# Altium PCB master.PcbDoc (part 4 of 10)
Units mm, origin at the board's own origin, x right, y up, seen from the top; angles counter-clockwise.
Board outline 160 x 120 mm, 6 copper layers (Top Signal, Top GND, Inner PWR, Inner Signal, Bottom GND, Bottom Signal), stack 1.601 mm thick; 526 components, 435 nets, 2167 pads, 1617 vias.
Unrouted connection lines stored in the file: 3.
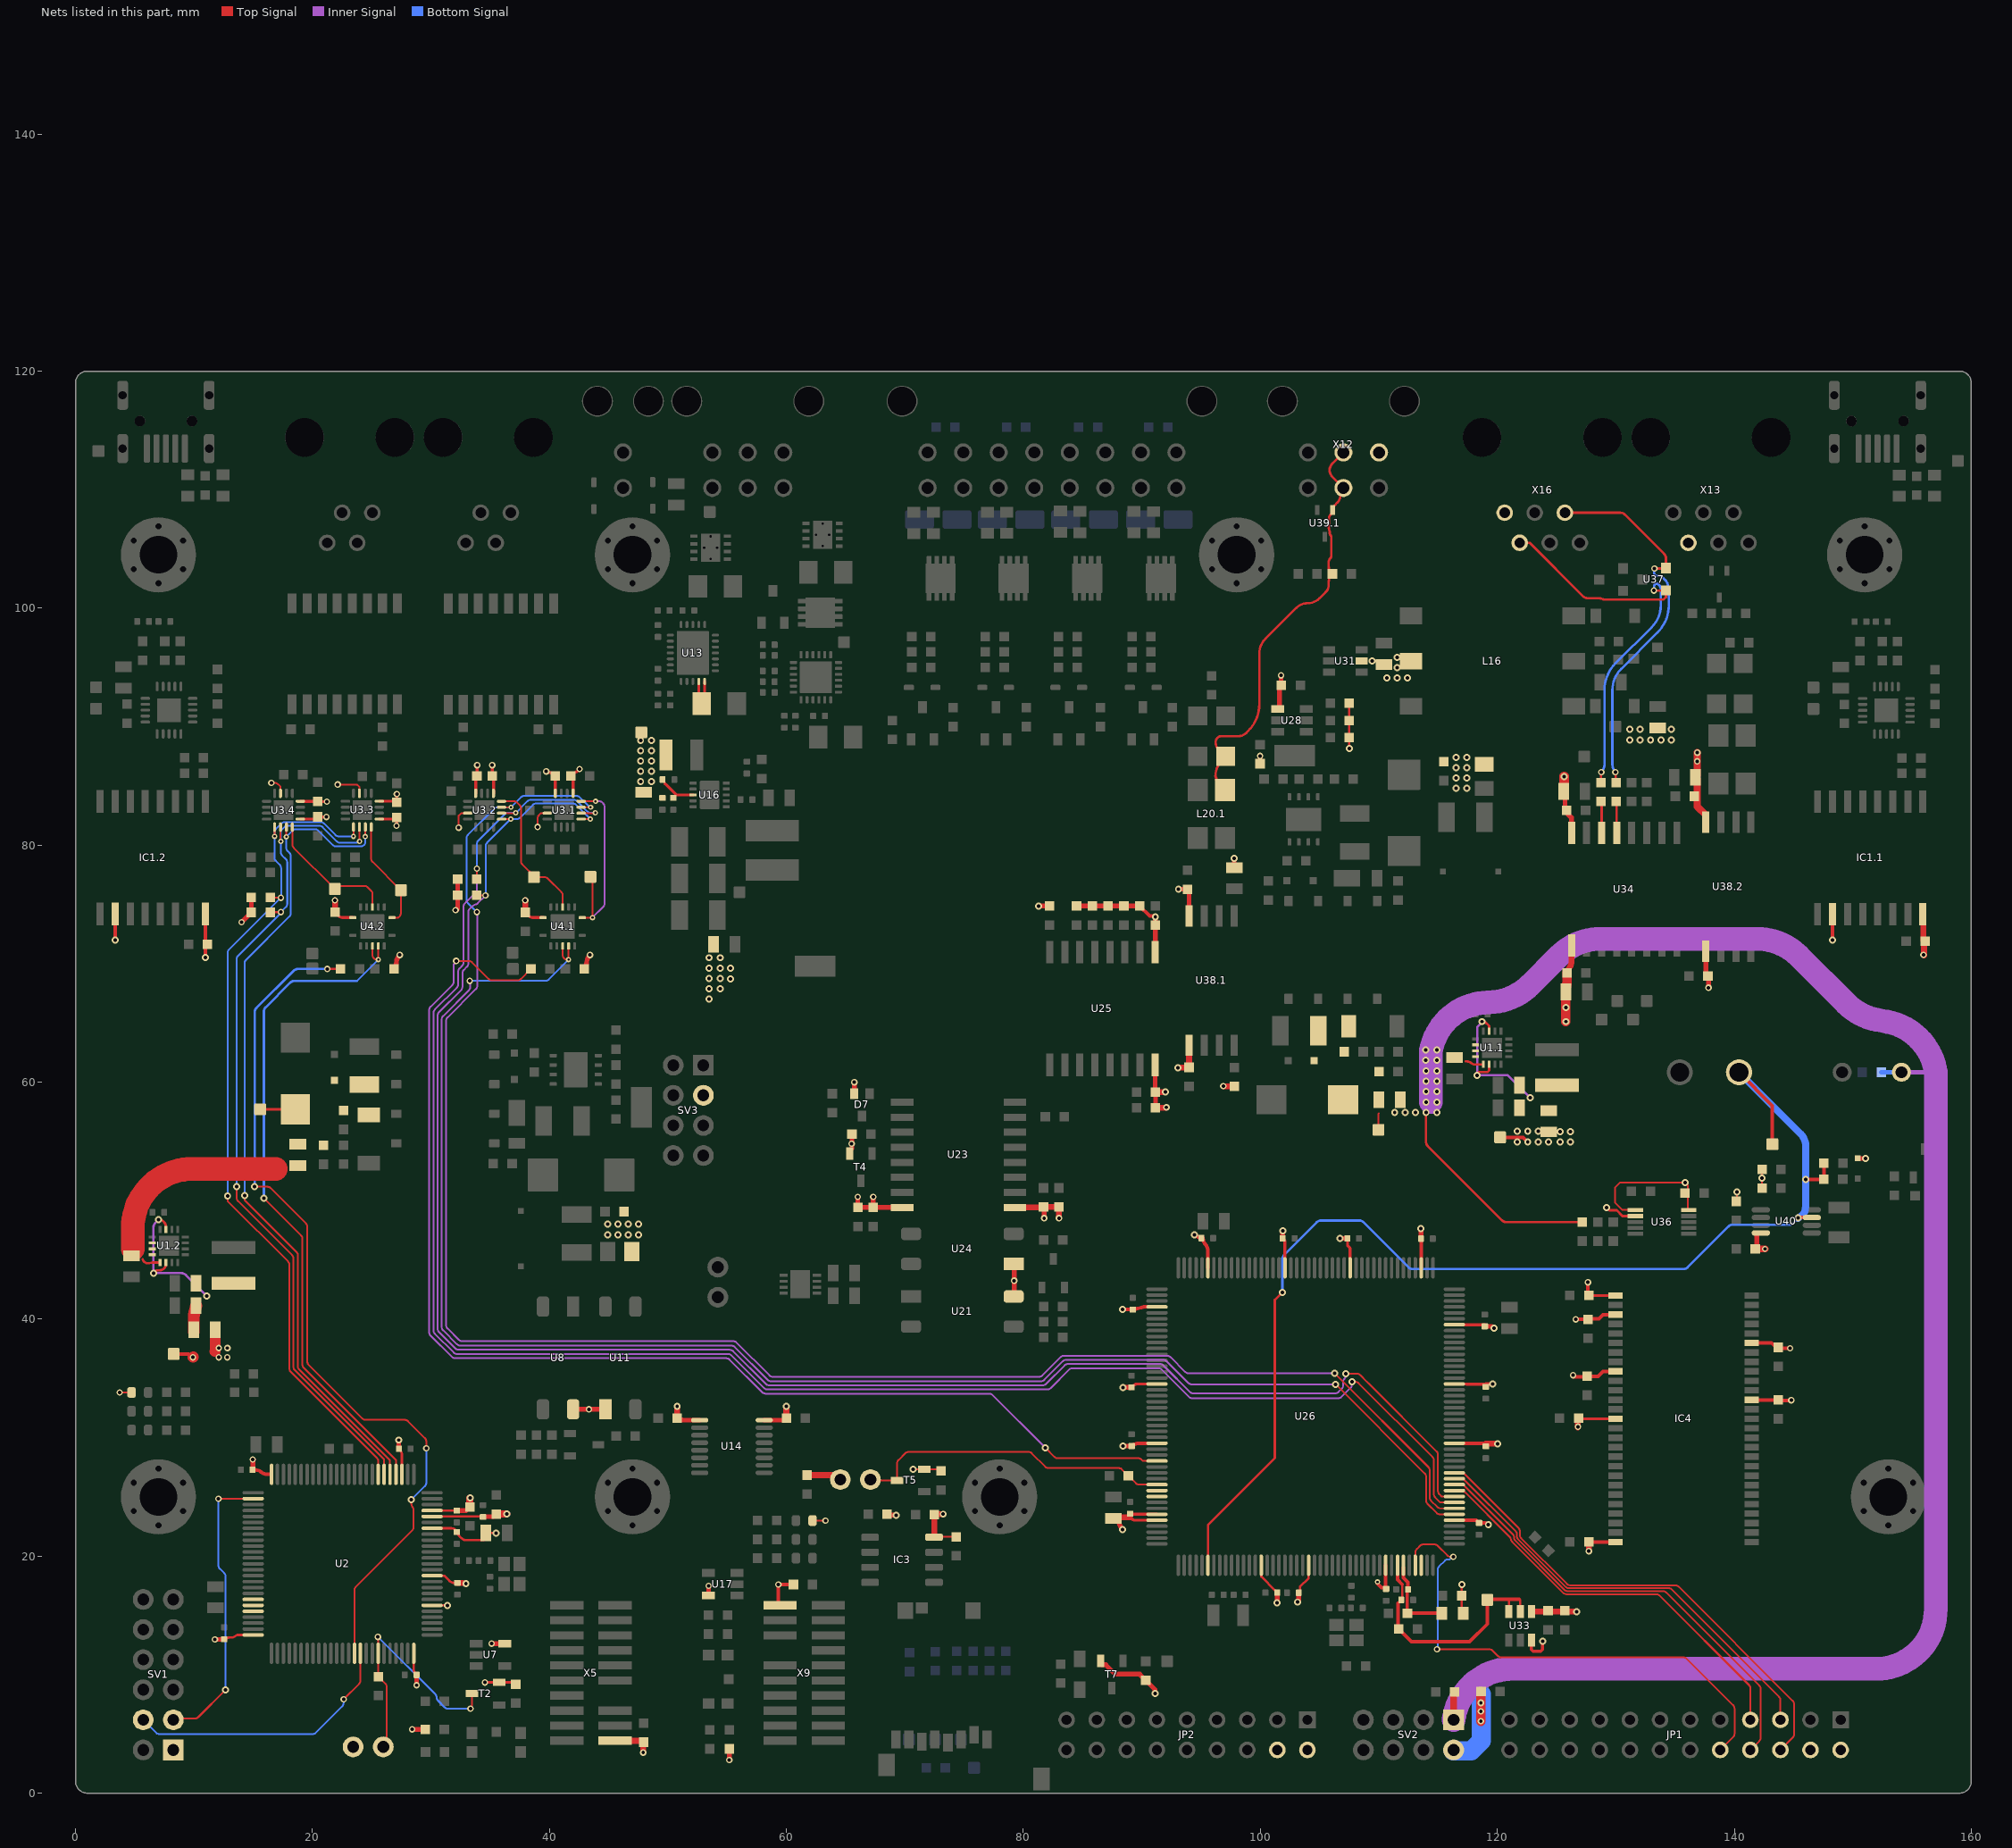
[diagram p8: the nets of this part, all layers, seen from the top]

## Via types
v1: diameter 0.6, hole 0.3, Top Signal to Bottom Signal, 1012 vias
v2: diameter 0.55, hole 0.3, Top Signal to Bottom Signal, 235 vias
v3: diameter 0.45, hole 0.2, Top Signal to Bottom Signal, 178 vias
v4: diameter 0.55, hole 0.3, Top Signal to Bottom Signal, tented both sides, 112 vias
v5: diameter 0.5, hole 0.2, Top Signal to Bottom Signal, 50 vias
v6: diameter 0.45, hole 0.2, Top Signal to Bottom Signal, tented top, 15 vias
v7: diameter 0.5, hole 0.3, Top Signal to Bottom Signal, tented both sides, 12 vias
v8: diameter 0.6, hole 0.3, Top Signal to Bottom Signal, tented both sides, 2 vias
v9: diameter 0.5, hole 0.3, Top Signal to Bottom Signal, 1 vias

## Nets (pads, with @x,y where several pads share a name; then routed paths per layer and width w, separated by ;. In a path a pad name is that pad's centre, name@x,y a point inside that pad or via, vN(x,y) a via of type N, cw(c..) or ccw(c..) an arc to the next point about the centre after c; other vN are vias at no path point) (continued)
+3.3V_0: +3V3.1@120.231,55.347 C12.1.1 C20.1.2 C20.2.2 C23.1.2 C28.1.2 C28.2.2 C70.2 C71.1 C73.1 C78.2 C80.1 C83.1 C85.1 C87.1 C88.1 C89.1 C90.1 C91.1 C92.1.2 C92.2.2 C97.1 C105.1 C108.1 C109.1 C116.1 C123.1 C127.1 C130.1 C134.2 C135.1 C136.1 C137.1 C138.1 C142.1 C143.1 C145.1 C146.1 C148.1 C149.1 C150.1 C151.1 C152.1 C161.1.2 C161.2.2 C164.1 C166.1 C167.1 D19.1 IC1.1.10 IC1.1.16 IC3.8 IC4.1 IC4.3 IC4.9 IC4.14 IC4.27 IC4.43 IC4.49 JP1.2 JP1.4 JP2.2 JP2.4 L17.1 LED6.2 R13.1.2 R14.1.2 R23.1.2 R58.2 R74.2 R78.2 R80.2 R100.2 R116.1 R126.2 R127.2 R128.2 SV2.2 T5.2 T7.2 U3.1.5 U3.1.8 U3.1.11 U3.2.5 U3.2.8 U3.2.11 U4.1.14 U14.16 U17.5 U21.4 U23.1 U24.1 U25.16 U26.15 U26.23 U26.36 U26.49 U26.62 U26.72 U26.82 U26.91 U26.103 U26.114 U26.127 U26.136 U26.149 U26.159 U26.171 U26.172 U33.3 U33.4 U34.1 U36.2 U38.1.1 U38.2.1 U40.8 X9.1 X10.1 | length 189.5
  Top Signal w0.15: R126.2@140.179,49.942 140.21,49.972 v8(140.21,50.725) ; C164.1@141.762,45.93 C164.1@141.873,46.041 ; U40.8@141.896,47.135 142.034,47.274 U40.8@142.24,47.274 ; R127.2@142.343,51.067 142.346,51.07 R128.2@142.346,52.648
  Top Signal w0.152: v2(32.345,81.475) 32.345,82.488 32.557,82.7 U3.2.11@33.1,82.7 ; v2(39,81.541) 39,82.268 cw(c39.38,82.268) 39.078,82.498 39.093,82.518 39.275,82.7 U3.1.11@39.818,82.7 ; LED6.2@62.25,23.004 v4(63.294,23.004) ; v1(70.691,27.34) 71.559,27.34 71.603,27.384 T5.2@71.647,27.34 72.887,27.34 R78.2@73.037,27.19 ; IC3.8@72.455,21.599 72.485,21.629 72.492,21.636 R80.2@74.331,21.636
  Top Signal w0.2: U26.15@100.072,19.234 100.092,19.215 100.092,18.275 101.267,17.099 101.275,17.099 101.425,16.949 C105.1@101.425,16.924 C105.1@101.422,16.921 ; C109.1@103.333,16.835 103.333,17.409 104.072,18.148 U26.23@104.072,19.234 ; C127.1@113.554,46.796 C127.1@113.572,46.778 ; v1@116.992,17.628 116.98,17.615 C130.1@116.98,16.662 116.98,15.1 L17.1@117.018,15.062 ; v1(129.216,49.407) 129.438,49.185 130.071,49.185 130.555,48.702 U36.2@131.647,48.702
  Top Signal w0.24: C23.1.2@37.955,74.325 38.22,74.06 ccw(c38.643,74.485) 38.643,73.885 U4.1.14@39.465,73.885
  Top Signal w0.25: U3.2.8@33.775,84.375 33.775,85.828 C28.2.2@33.782,85.85 ; C28.2.2@33.875,85.85 33.876,85.852 ccw(c33.275,86.025) 33.9,86.027 v2(33.9,86.752) ; C20.2.2@35.082,85.85 35.275,85.657 U3.2.5@35.275,84.375 ; C20.2.2@35.163,85.85 v2(35.163,86.752) ; v2(39.725,86.22) 39.912,86.158 ccw(c40.111,86.75) 39.968,86.142 40.109,86.109 cw(c39.966,85.5) 40.409,85.941 C28.1.2@40.5,85.85 40.493,85.828 U3.1.8@40.493,84.375 ; U3.1.5@41.993,84.375 41.993,85.657 C20.1.2@41.8,85.85 41.898,85.948 cw(c42.341,85.507) 42.028,86.048 42.294,86.202 ccw(c41.982,86.743) 42.424,86.302 v2(42.543,86.42) ; 88.789,23.329 88.994,23.534 U26.171@91.273,23.534 ; C88.1@88.885,34.239 89.005,34.119 89.236,34.35 cw(c89.679,33.909) 89.679,34.534 U26.149@91.273,34.534 ; 88.99,23.28 89.054,23.216 ccw(c89.495,23.659) 89.495,23.034 U26.172@91.273,23.034 ; C108.1@101.887,46.817 102.072,46.632 U26.114@102.072,44.334 ; C116.1@107.225,46.739 107.362,46.602 107.362,46.202 107.573,45.992 U26.103@107.573,44.334 ; U26.72@116.372,34.534 117.374,34.534 117.387,34.521 C138.1@119.024,34.521 ; U26.82@116.372,39.534 C136.1@118.941,39.534 ; U33.3@122.879,12.932 122.879,12.132 123.025,11.985 123.66,11.985 123.806,12.132 123.806,12.799 v1(123.82,12.813) v1@123.834,12.827 ; C143.1@126.788,31.596 126.796,31.596 IC4.14@129.966,31.596 ; C150.1@127.645,41.996 IC4.1@129.966,41.996
  Top Signal w0.3: C70.2@59.977,31.623 C70.2@60,31.646 ; v1(88.375,40.839) 89.372,40.839 ccw(c89.372,41.589) 89.618,40.881 89.936,40.991 cw(c90.185,40.284) 90.186,41.034 U26.136@91.273,41.034 ; C89.1@89.138,29.291 ccw(c88.734,29.923) 89.181,29.32 89.27,29.386 cw(c89.716,28.784) 89.716,29.534 U26.159@91.273,29.534 ; v1(94.422,47.124) 94.745,46.935 ccw(c95.125,47.581) C97.1@95.012,46.84 ; C97.1@95.165,46.865 95.165,46.813 ccw(c95.915,46.813) 95.354,46.315 95.383,46.282 cw(c94.822,45.783) 95.572,45.783 U26.127@95.572,44.334 ; v3(109.889,17.825) 109.889,17.67 110.211,17.348 110.499,17.348 C123.1@110.572,17.275 ; C123.1@110.572,17.221 C123.1@110.572,17.275 ; U26.36@110.572,19.234 C123.1@110.572,17.275 ; C123.1@110.612,17.236 C123.1@110.572,17.275 ; U26.91@113.572,44.334 C127.1@113.572,46.778 ; U26.49@116.372,23.034 118.225,23.034 C135.1@118.452,22.807 119.019,22.807 119.167,22.658 v1(119.248,22.658) ; U26.62@116.372,29.534 v1@120.017,29.534 ; C138.1@119.024,34.521 119.604,34.521 v1(119.608,34.524) ; +3V3.1@120.231,55.347 122.154,55.347 122.307,55.193 ; v4(126.386,35.268) 126.386,35.186 126.437,35.135 C151.1@127.481,35.135 ; v4(126.617,39.984) 127.585,39.984 C152.1@127.66,39.909 ; C143.1@126.78,31.644 C143.1@126.796,31.628 ; v4@126.796,30.861 126.812,30.877 v4(126.812,30.925) ; C151.1@127.445,35.099 C151.1@127.481,35.135 ; C151.1@127.575,35.163 127.548,35.135 C151.1@127.481,35.135 ; C149.1@127.645,21.196 IC4.27@129.966,21.196 ; C150.1@127.645,41.996 v4(127.645,43.107) ; C152.1@127.742,39.899 127.87,40.027 128.585,40.027 128.916,40.357 129.928,40.357 IC4.3@129.966,40.396 ; IC4.9@129.966,35.596 128.912,35.596 128.5,35.184 127.529,35.184 C151.1@127.481,35.135 ; IC4.43@141.466,33.196 141.507,33.155 143.442,33.155 C166.1@143.482,33.196 ; IC4.49@141.466,37.996 143.142,37.996 143.595,37.542 143.642,37.542 143.645,37.544 144.701,37.544 v4(144.704,37.542) ; C166.1@143.711,33.114 143.736,33.139 144.781,33.139 v4(144.805,33.164) ; v1(148.295,71.982) IC1.1.10@148.295,74.177
  Top Signal w0.305: X9.1@59.465,15.861 59.325,16 v4(59.325,17.607) C71.1@60.589,17.607 C71.1@60.664,17.607
  Top Signal w0.4: v2@32.21,74.57 32.204,74.576 32.253,74.626 R14.1.2@32.253,75.768 R13.1.2@32.253,77.125 ; R23.1.2@42.934,69.55 ccw(c42.134,70.15) 43.127,70.025 43.142,70.15 cw(c44.134,70.025) v2(43.423,70.727) ; U17.5@53.428,16.689 v2(53.428,17.491) ; v4(55.18,2.8) R58.2@55.18,3.687 ; U14.16@58.115,31.478 58.64,31.478 58.646,31.472 59.903,31.472 C70.2@59.925,31.45 ; R74.2@68.491,23.532 68.544,23.479 69.206,23.479 v1(69.244,23.441) ; U21.4@79.22,41.915 U24.1@79.22,44.64 ; C80.1@81.7,49.475 81.701,49.474 81.712,49.436 cw(c80.752,49.156) 81.752,49.156 81.752,48.559 cw(c80.752,48.561) v2(81.752,48.527) ; T7.2@86.518,11.162 86.518,10.937 86.618,10.837 86.952,10.837 87.744,10.045 89.81,10.045 R100.2@90.328,9.528 91.101,8.755 v1(91.101,8.43) ; C85.1@87.605,23.179 87.855,23.179 87.856,23.178 87.865,23.167 cw(c87.105,22.518) 88.028,22.901 88.183,22.534 ccw(c89.105,22.922) v1(88.363,22.251) ; v1(88.404,29.291) C89.1@89.138,29.291 ; v1(88.404,34.239) C88.1@88.885,34.239 ; C92.2.2@91.112,59.1 U25.16@91.112,61.461 ; C91.1@91.15,57.85 C92.2.2@91.15,59.15 ; v1(101.422,16.078) C105.1@101.422,16.921 ; C108.1@101.887,46.817 v1(101.887,47.45) ; v1(103.142,16.121) 103.142,16.175 103.243,16.276 C109.1@103.243,16.916 ; v1(106.713,46.817) C116.1@107.329,46.817 ; C127.1@113.554,46.796 v1(113.554,47.659) ; C136.1@118.941,39.393 119.506,39.393 119.655,39.244 v1(119.709,39.244) ; C148.1@125.872,69.228 ccw(c125.014,69.742) C148.1@125.986,69.508 ; C161.2.2@137.579,69.02 ccw(c136.597,69.206) 137.587,69.067 137.597,69.136 U38.2.1@137.597,71.033 ; C161.2.2@137.775,68.946 137.776,68.945 137.787,68.907 cw(c136.825,68.634) 137.825,68.634 v2(137.825,67.97) ; C164.1@141.896,45.93 U40.8@141.896,47.135 ; D19.1@150.413,53.562 v1(151.079,53.562)
  Top Signal w0.5: C23.1.2@37.955,74.325 v2(37.955,75.35) ; v1(59.977,32.65) 59.988,32.638 59.988,31.658 C70.2@60,31.646 ; C73.1@61.747,26.84 63.835,26.84 64.21,26.465 X10.1@64.548,26.465 ; C78.2@72.41,23.515 72.45,23.555 v4(73.231,23.555) ; IC3.8@72.485,21.629 C78.2@72.485,23.515 ; C80.1@81.651,49.426 81.606,49.425 cw(c81.576,50.675) 81.576,49.425 U23.1@79.275,49.425 cw(c79.351,48.177) 79.352,49.427 81.472,49.427 81.584,49.448 ccw(c81.358,50.677) 81.661,49.465 C80.1@81.7,49.475 ; C80.1@81.7,49.475 C83.1@83,49.475 83,48.64 ccw(c84.25,48.64) v2(83.005,48.527) ; C85.1@87.383,23.28 88.99,23.28 ; C91.1@91.15,57.85 v2@92,57.85 ; C92.2.2@91.15,59.15 cw(c91.326,57.913) 91.329,59.163 91.824,59.163 ccw(c91.824,60.412) 91.956,59.17 v1(92,59.175) ; v1(93.025,61.219) 93.713,61.219 ccw(c93.713,62.469) 93.943,61.24 C161.1.2@93.983,61.248 ; C161.1.2@93.984,61.249 U38.1.1@93.984,63.115 ; v2@96.923,59.649 97.594,59.649 cw(c97.594,58.399) 97.742,59.64 97.793,59.634 C92.1.2@97.794,59.633 ; C134.2@118.671,8.63 C134.2@118.704,8.597 ; C137.1@119.024,29.495 v1(120.017,29.495) ; U33.4@122.879,15.332 122.89,15.32 v1(126.676,15.32) ; C148.1@125.986,69.508 ccw(c125.011,70.29) 126.261,70.293 U34.1@126.261,71.533 ; v4@126.796,30.861 126.796,31.596 C143.1@126.796,31.628 ; C149.1@127.645,21.196 127.725,21.115 v4(127.725,20.425) ; IC1.1.16@155.915,74.177 IC1.1.16@155.915,74.177 155.926,74.129 cw(c154.705,73.861) 155.933,74.095 155.955,73.98 155.955,71.98 C12.1.1@155.996,71.9 ; v2@156.009,70.7 156.009,71.42 cw(c157.259,71.42) 156.092,71.867 C12.1.1@156.104,71.899
  Top Signal w0.6: C164.1@141.896,45.93 v7(142.579,45.93)
  Top Signal w0.8: v2(118.609,6.075) C134.2@118.609,8.597 ; v1(125.782,65.112) C146.1@125.782,67.618 ; v1(125.782,66.294) 125.782,67.887 ccw(c123.872,68.48) 125.872,68.483 C148.1@125.872,69.228
  Bottom Signal w1.6: SV2.2@116.276,3.575 117.8,3.575 118.65,4.425 118.65,8.35 ; SV2.2@116.31,3.65 SV2.2@116.339,3.679
  other v1: 118.609,7.616 116.992,17.602 142.331,51.885 121.693,54.953 122.566,54.953 123.44,54.953 124.313,54.953 125.286,54.953 126.16,54.953 125.286,55.826 126.16,55.826 121.693,55.871 122.566,55.871 123.44,55.871
  other v2: 118.609,6.903 79.22,43.251 92.075,57.875 96.875,59.664 155.965,70.75 32.075,74.507
+3.3V_0+: C8.1.1 C9.1.1 L15_1.2 R116.2 U1.1.7 U1.1.14 | length 13
  Top Signal w0.2: v1(118.297,60.557) 118.374,60.633 118.374,60.802 118.413,60.841 119.152,60.841 119.307,60.996 U1.1.14@119.307,61.495 ; v1(118.687,65.112) 118.934,65.112 119.307,64.739 U1.1.7@119.307,64.295
  Inner Signal w0.2: v1@118.261,60.593 120.839,60.593 v1(122.758,58.674) ; v1(118.297,60.557) 118.297,64.654 118.687,65.044 v1(118.687,65.112)
+3.3V_0_IN: C159.1 U36.1 U36.10 | length 12
  Top Signal w0.15: U36.1@131.626,49.215 130.558,49.215 129.928,49.845 129.928,51.08 130.383,51.535 135.721,51.535 135.856,51.67 v1(135.856,51.512) 136.068,51.3 136.068,49.278 U36.10@136.144,49.202
+3.3V_1: +3V3.1@8.286,37.064 C12.2.1 C15.1 C16.1 C20.3.2 C20.4.2 C23.2.2 C28.3.2 C28.4.2 C29.1 C30.1 C33.1 C34.1 C35.1 C37.1 C39.1 C40.1 C44.1 C55.1 C56.1 IC1.2.10 IC1.2.16 LED3.2 R6.1 R13.2.2 R14.2.2 R23.2.2 R25.2 R34.2 SV1.1 T2.2 U2.6 U2.11 U2.19 U2.21 U2.22 U2.28 U2.50 U2.75 U2.100 U3.3.5 U3.3.8 U3.3.11 U3.4.5 U3.4.8 U3.4.11 U4.2.14 U7.5 U8.4 U11.1 U14.1 X3.1 X5.1 | length 75.9
  Top Signal w0.152: v4(3.727,33.818) LED3.2@4.676,33.818 ; v4(14.961,28.157) v4@15.149,28.157 ; v2(16.525,85.257) 16.804,85.257 cw(c16.804,84.877) 17.073,85.145 17.3,84.918 U3.4.11@17.3,84.375 ; v2(22.128,85.118) 23.573,85.118 cw(c23.573,84.738) 23.608,85.116 23.769,85.102 23.953,84.918 U3.3.11@23.953,84.375
  Top Signal w0.2: C15.1@12.622,12.979 cw(c12.985,12.635) 12.986,13.135 13.148,13.135 ccw(c13.148,13.635) 13.421,13.216 13.633,13.354 U2.75@14.993,13.354 ; C29.1@27.287,29.062 ccw(c27.721,29.31) 27.368,28.957 27.396,28.929 cw(c27.042,28.575) 27.542,28.575 U2.28@27.542,26.904 ; U2.6@30.092,15.854 31.235,15.854 31.367,15.854 ccw(c31.367,16.354) v1(31.377,15.854) ; U2.11@30.092,18.354 ccw(c30.154,18.85) 30.154,18.35 31.125,18.35 31.579,17.896 ccw(c31.932,18.25) 31.932,17.75 C35.1@32.225,17.75 ; U2.19@30.092,22.354 31.726,22.354 cw(c31.726,21.854) 32.08,22.206 cw(c31.728,21.851) 32.083,22.204 32.114,22.172 cw(c31.761,21.818) 32.116,22.17 32.226,22.06 ccw(c32.726,22.083) 32.37,21.731 32.602,21.499 ccw(c32.954,21.854) 32.954,21.354 34.447,21.354 34.495,21.401 34.6,21.672 ccw(c34.135,21.854) 34.635,21.854 34.635,21.88 cw(c35.135,21.88) C39.1@34.64,21.953 v1(35.494,21.953) ; U2.21@30.092,23.354 C40.1@34.42,23.354 ; U2.22@30.092,23.854 32.083,23.854 cw(c32.083,23.354) 32.16,23.848 C34.1@32.185,23.844 ; C37.1@32.975,23.843 C37.1@33.284,24.152 ; v1@33.284,24.9 v1(33.296,24.912) ; C44.1@35.238,23.333 C44.1@35.484,23.579
  Top Signal w0.203: U2.100@28.542,11.804 28.542,10.437 ccw(c29.05,10.437) 28.691,10.077 C30.1@28.781,9.988 ; v4(34.55,9.346) cw(c34.611,8.842) 34.613,9.35 36.898,9.35 R34.2@37.148,9.1
  Top Signal w0.24: C23.2.2@21.896,74.325 22.161,74.06 ccw(c22.585,74.485) 22.585,73.885 U4.2.14@23.406,73.885
  Top Signal w0.25: U3.4.5@18.975,82.2 20.257,82.2 20.45,82.393 ccw(c20.599,83) 20.599,82.375 v2(21.179,82.375) ; U3.4.8@18.975,83.7 C28.3.2@20.443,83.7 ; C28.3.2@20.444,83.7 ccw(c20.65,84.29) 20.65,83.665 v2@21.15,83.665 ; U3.3.5@25.635,82.208 26.918,82.208 27.103,82.393 27.103,81.738 cw(c26.478,81.736) 27.096,81.645 v2(27.096,81.643) ; U3.3.8@25.635,83.708 27.016,83.708 C28.4.2@27.11,83.614 ; C28.4.2@27.103,83.693 27.103,83.695 ccw(c26.485,83.785) 27.11,83.787 v2(27.11,84.311)
  Top Signal w0.3: v1(3.349,71.999) IC1.2.10@3.349,74.193 ; +3V3.1@8.286,37.064 9.534,37.064 9.714,36.953 cw(c9.322,36.314) 9.853,36.843 cw(c9.325,36.311) 9.857,36.84 v4@9.909,36.787 ; v1(10.969,70.51) IC1.2.16@10.969,74.193 ; C16.1@14.964,27.279 15.188,27.279 cw(c15.188,26.529) 15.651,27.119 15.722,27.063 ccw(c16.185,27.654) 16.185,26.904 U2.50@16.543,26.904
  Top Signal w0.4: v4@11.762,12.979 C15.1@12.622,12.979 ; v2@13.982,73.47 R13.2.2@14.836,74.324 R14.2.2@14.836,75.575 ; C16.1@14.964,27.279 v4@14.964,28.154 ; R23.2.2@26.876,69.55 ccw(c26.076,70.15) 27.068,70.025 27.083,70.15 cw(c28.076,70.025) v2(27.364,70.727) ; v1(27.273,29.8) 27.273,29.288 ccw(c28.273,29.288) 27.276,29.217 C29.1@27.287,29.062 ; v4(28.416,5.384) R25.2@29.471,5.384 ; v4(28.781,9.111) C30.1@28.781,9.988 ; C34.1@32.186,23.843 C37.1@32.975,23.843 ; C40.1@34.392,23.333 C44.1@35.238,23.333 ; v2@35.15,12.625 U7.5@36.225,12.625 ; U8.4@41.993,32.394 U11.1@44.719,32.394 ; C56.1@50.775,31.661 ccw(c51.352,32.478) 51.352,31.478 U14.1@52.665,31.478
  Top Signal w0.5: C23.2.2@21.896,74.325 v2(21.896,75.35) ; C35.1@32.225,17.75 32.496,17.75 cw(c32.496,16.5) 32.801,17.712 cw(c32.501,16.499) 32.807,17.711 v1(32.95,17.675) ; X5.1@46.115,4.43 ccw(c46.263,5.671) 46.263,4.421 47.491,4.421 cw(c47.491,3.171) 47.919,4.346 47.92,3.578 cw(c46.67,3.576) 47.911,3.432 v4(47.911,3.428) ; C56.1@50.775,31.661 v1@50.775,32.638
  Top Signal w0.6: C37.1@33.284,24.152 v1@33.284,24.9 ; C44.1@35.484,23.579 v1(36.384,23.579)
  Top Signal w0.9: v4(9.909,36.774) 9.92,36.785 cw(c11.636,35.329) v4@9.956,36.826 ; 11.762,37.275 ccw(c11.724,37.312) 11.777,37.312 R6.1@11.777,39.115 R6.1@11.778,39.111
  other v1: 50.775,32.65
  other v2: 35.109,12.625 43.33,32.394 14.005,73.493 21.213,83.665
  other v4: 11.761,12.98 12.086,36.774 12.812,36.774 12.097,37.563 12.823,37.563
+3.3V_1+: C8.2.1 C9.2.1 L15_2.2 R6.2 U1.2.7 U1.2.14 | length 14.9
  Top Signal w0.2: v1(6.582,43.883) cw(c7.013,43.63) 7.013,44.13 7.128,44.13 ccw(c7.128,44.63) 7.628,44.63 U1.2.14@7.628,44.785 ; v1(7.008,48.401) 7.048,48.401 cw(c7.048,47.901) 7.401,48.255 7.478,48.178 cw(c7.125,47.824) 7.48,48.176 cw(c7.128,47.821) 7.628,47.821 7.628,47.612 ccw(c8.128,47.612) U1.2.7@7.628,47.585
  Top Signal w1: R6.2@9.977,38.917 9.977,39.997 cw(c12.477,39.997) 10.047,40.582 C8.2.1@10.178,41.13
  Inner Signal w0.2: v1(7.008,48.401) 6.728,48.121 ccw(c7.082,47.768) 6.582,47.768 v1(6.582,43.883) 8.953,43.883 cw(c8.953,43.383) 9.307,43.735 cw(c8.956,43.38) 9.31,43.732 v1(11.079,41.964)
+3.3V_COM: C144.1 C147.1 C158.2.1 C165.2.2 R123.1 U34.16 U38.2.8 X13.5 X16.6 | length 11.6
  Top Signal w0.4: C144.1@125.59,84.538 125.716,84.412 125.716,83.064 C147.1@125.842,82.938 ; C147.1@125.639,82.938 126.253,82.324 126.253,81.041 U34.16@126.261,81.033 ; U38.2.8@137.497,82.557 U38.2.8@137.597,82.457
  Top Signal w0.6: v2@136.875,87.8 136.875,87.65 v2(136.875,87.075) 136.875,85.875 C158.2.1@136.725,85.725 136.875,85.575 136.875,83.255 137.597,82.533 137.597,82.457 U38.2.8@137.597,81.933
  Top Signal w0.8: C144.1@125.59,84.538 125.639,84.587 v1(125.639,85.796)
  other v1: 131.183,88.863 132.057,88.863 132.93,88.863 133.803,88.863 134.677,88.863 131.183,89.781 132.057,89.781 134.677,89.781
  other v2: 136.88,87.8
+3.3v_in: C75.1 C76.1 C81.1 C93.1 C107.2 C120.2 C158.1.1 C165.1.2 D7.2 L16.2 R57.1 R73.2 R91.2 R92.2 R94.2 R96.2 R99.2 R104.2 R108.2 R109.2 R110.2 T4.2 U23.16 U25.1 U28.1 U31.2 U38.1.8 X12.3 | length 30.3
  Top Signal w0.2: v1(107.499,88.144) R108.2@107.499,89.067 R109.2@107.499,90.522 R110.2@107.499,91.971
  Top Signal w0.3: R99.2@89.806,74.864 90.649,74.021 91.048,74.021 v1(91.136,73.932)
  Top Signal w0.4: T4.2@65.325,53.986 65.325,54.211 65.525,54.411 R73.2@65.525,55.6 ; D7.2@65.725,59.037 65.725,59.927 v2@65.742,59.944 ; v2@66.026,50.275 66.025,50.274 C75.1@66.025,49.428 66.026,49.426 U23.16@69.775,49.425 U23.16@69.775,49.425 ; C76.1@67.325,49.428 v2@67.325,50.274 ; v1(81.288,74.864) C81.1@82.204,74.864 ; R91.2@84.486,74.864 R92.2@85.816,74.864 R94.2@87.146,74.864 R96.2@88.476,74.864 R99.2@89.806,74.864 ; U25.1@91.112,70.961 91.136,70.986 C93.1@91.136,73.264 91.123,73.277 91.136,73.29 v1(91.136,73.932) ; v1(93.095,76.281) C165.1.2@93.837,76.281 93.984,76.133 U38.1.8@93.984,74.015 ; C158.1.1@97.794,78.107 v1(97.794,78.896) ; R104.2@99.975,86.875 v2(99.975,87.525) ; U28.1@101.459,91.48 101.492,91.48 101.617,91.605 101.617,93.317 C107.2@101.775,93.475 101.75,93.5 v2(101.75,94.325)
  other v1: 53.479,67.006 53.479,67.88 54.397,67.88 55.27,68.708 53.479,68.753 54.397,68.753 53.479,69.627 54.397,69.627 55.27,69.627 53.479,70.5 54.397,70.5 110.659,94.116 111.53,94.116 112.402,94.116 111.53,94.988 109.418,95.538 111.53,95.859
  other v2: 66.025,50.325 67.325,50.325 65.5,54.8 65.725,59.994
+5.0V_0: C3.1.1 C128.1 LS1.1 R113.1 R117.2 R137.2 SV2.1 U1.1.10 U1.1.11 U1.1.12 U1.1.13 | length 173.4
  Top Signal w0.2: v1(113.975,57.449) 113.975,54.975 ccw(c114.475,54.975) 114.121,54.622 120.407,48.336 ccw(c120.76,48.69) 120.76,48.19 R117.2@127.167,48.19 ; 117.337,61.749 117.437,61.749 cw(c117.437,61.249) 117.75,61.64 117.793,61.605 ccw(c118.105,61.995) 118.105,61.495 U1.1.13@118.807,61.495
  Top Signal w0.6: SV2.1@116.31,6.19 C128.1@116.31,8.418
  Inner Signal w0.4: LS1.1@154.105,60.837 156.848,60.837 cw(c156.848,59.837) 157,60.825